# KiCad board shimarray.kicad_pcb (continued)
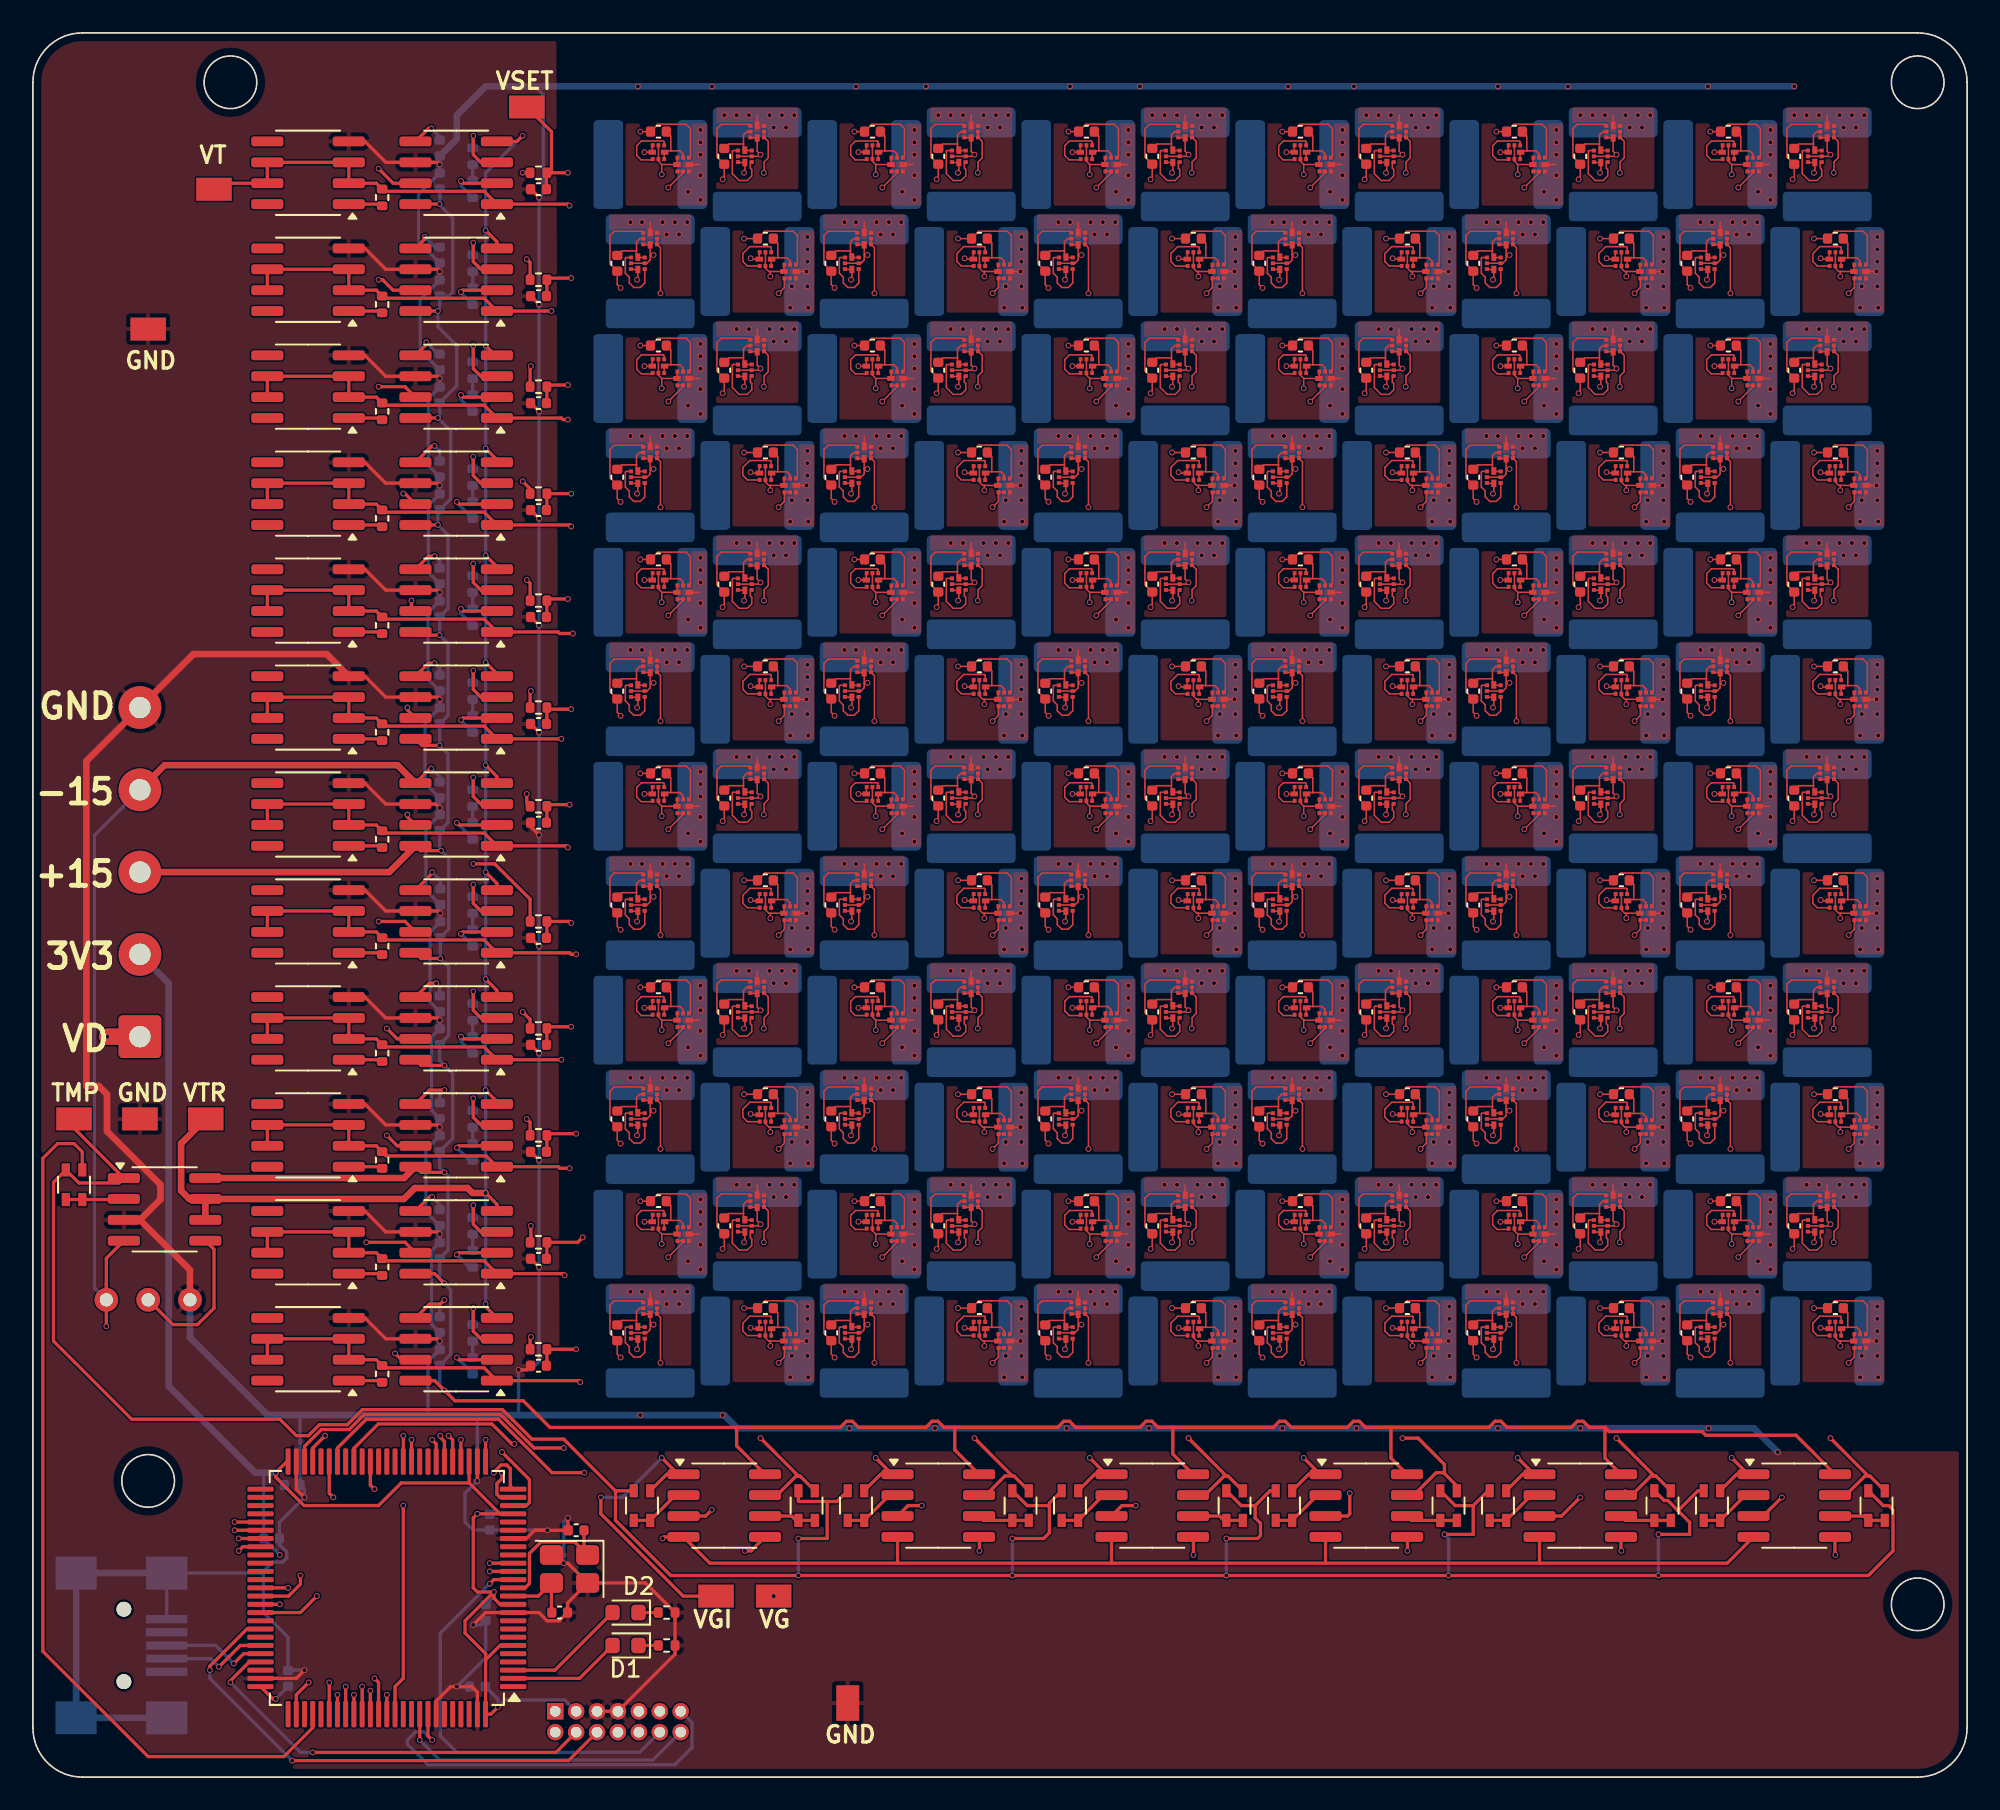
[diagram p0: board, top side]
## Routing (per net, layer and track width the routed paths; a pad name or vN(x,y) marks a point on that pad's centre or on a via; arc(x,y) is an arc through that point) (continued)
/Element_4x4/Vd4_1: length 101.1
  Top w0.09: 42.75,98.15 42.78,98.12 43.17,98.12 ; 37.62,98.83 37.62,99.22 37.65,99.25 ; 37.1,98.8 v1(37.15,98.75) Q1.6 ; 63.62,98.83 63.62,99.22 63.65,99.25 ; 50.62,98.83 50.62,99.22 50.65,99.25 ; Q21.6 v1(63.15,98.75) 63.1,98.8 ; 89.1,98.8 v1(89.15,98.75) Q37.6 ; 81.75,98.15 81.78,98.12 82.17,98.12 ; 76.1,98.8 v1(76.15,98.75) Q29.6 ; 68.75,98.15 68.78,98.12 69.17,98.12 ; v1(69.2,97.5) 69.25,97.55 Q15.6 ; 89.62,98.83 89.62,99.22 89.65,99.25 ; v1(95.2,97.5) 95.25,97.55 Q31.6 ; 95.17,98.12 94.78,98.12 94.75,98.15 ; 102.65,99.25 102.62,99.22 102.62,98.83 ; v1(43.2,97.5) 43.25,97.55 Q3.6 ; 76.62,98.83 76.62,99.22 76.65,99.25 ; Q39.6 v1(50.15,98.75) 50.1,98.8 ; v1(56.2,97.5) 56.25,97.55 Q9.6 ; v1(82.2,97.5) 82.25,97.55 Q23.6 ; 56.17,98.12 55.78,98.12 55.75,98.15 ; 108.17,98.12 107.78,98.12 107.75,98.15 ; Q41.6 108.25,97.55 v1(108.2,97.5) ; Q47.6 v1(102.15,98.75) 102.1,98.8
  Top w0.2: v1(32.5,97.5) 31.5,97.5 ; 31.5,97.5 31.5,100 TP3.1 ; 31.5,97.5 R4.2 31.19,97.47 C9.1
  In1.Cu w0.09: v1(37.15,98.75) 37.8,98.1 42.6,98.1 v1(43.2,97.5) 43.8,98.1 44.7,98.1 45.35,98.75 v1(50.15,98.75) 50.8,98.1 55.6,98.1 v1(56.2,97.5) 56.8,98.1 57.7,98.1 58.35,98.75 v1(63.15,98.75) 63.8,98.1 68.6,98.1 v1(69.2,97.5) 69.8,98.1 70.7,98.1 71.35,98.75 v1(76.15,98.75) 76.8,98.1 81.6,98.1 v1(82.2,97.5) 82.8,98.1 83.7,98.1 84.35,98.75 v1(89.15,98.75) 89.8,98.1 94.6,98.1 v1(95.2,97.5) 95.8,98.1 96.7,98.1 97.35,98.75 v1(102.15,98.75) 102.8,98.1 107.6,98.1 v1(108.2,97.5)
  In1.Cu w0.2: v1(32.5,97.5) 33.75,98.75 v1(37.15,98.75)
/Element_4x4/Vd4_2: length 96.7
  Top w0.09: Q13.6 49.75,91.05 v1(49.7,91) ; Q27.6 75.75,91.05 v1(75.7,91) ; 36.67,91.62 36.28,91.62 36.25,91.65 ; 70.12,92.33 70.12,92.72 70.15,92.75 ; v1(43.6,92.3) 43.65,92.25 Q7.6 ; v1(88.7,91) 88.75,91.05 Q35.6 ; v1(108.6,92.3) 108.65,92.25 Q43.6 ; 109.12,92.33 109.12,92.72 109.15,92.75 ; 62.25,91.65 62.28,91.62 62.67,91.62 ; 88.67,91.62 88.28,91.62 88.25,91.65 ; v1(56.6,92.3) 56.65,92.25 Q11.6 ; 44.15,92.75 44.12,92.72 44.12,92.33 ; v1(69.6,92.3) 69.65,92.25 Q17.6 ; Q45.6 101.75,91.05 v1(101.7,91) ; 83.15,92.75 83.12,92.72 83.12,92.33 ; Q25.6 82.65,92.25 v1(82.6,92.3) ; Q5.6 36.75,91.05 v1(36.7,91) ; v1(95.6,92.3) 95.65,92.25 Q33.6 ; 96.12,92.33 96.12,92.72 96.15,92.75 ; 101.67,91.62 101.28,91.62 101.25,91.65 ; 75.67,91.62 75.28,91.62 75.25,91.65 ; Q19.6 62.75,91.05 v1(62.7,91) ; 49.25,91.65 49.28,91.62 49.67,91.62 ; 57.12,92.33 57.12,92.72 57.15,92.75
  Top w0.2: v1(32.7,91.1) 31.32,91.1 R3.2 31.22,90.03 C10.1
  In1.Cu w0.09: v1(36.7,91) 37.53,91.83 37.89,91.83 38.36,92.3 v1(43.6,92.3) 44.5,92.3 45.8,91 v1(49.7,91) 50.53,91.83 50.89,91.83 51.36,92.3 v1(56.6,92.3) 57.5,92.3 58.8,91 v1(62.7,91) 63.53,91.83 63.89,91.83 64.36,92.3 v1(69.6,92.3) 70.5,92.3 71.8,91 v1(75.7,91) 76.53,91.83 76.89,91.83 77.36,92.3 v1(82.6,92.3) 83.5,92.3 84.8,91 v1(88.7,91) 89.53,91.83 89.89,91.83 90.36,92.3 v1(95.6,92.3) 96.5,92.3 97.8,91 v1(101.7,91) 102.53,91.83 102.89,91.83 103.36,92.3 v1(108.6,92.3)
  In1.Cu w0.2: v1(32.7,91.1) 32.8,91 v1(36.7,91)
/Element_4x4/Vt4_1: length 134.1
  Top w0.09: Q22.1 Q22.2 65.5,97.5 v1(64.6,96.6) ; v1(77.6,96.6) 78.5,97.5 Q30.2 Q30.1 ; v1(38.6,96.6) 39.5,97.5 Q2.2 Q2.1 ; v1(90.6,96.6) 91.5,97.5 Q38.2 Q38.1 ; Q40.1 Q40.2 52.5,97.5 v1(51.6,96.6) ; Q16.2 Q16.1 70.43,99.65 70.67,99.41 70.67,98.41 70.42,98.15 70.42,97.52 v1(70.4,97.5) ; Q4.2 Q4.1 44.43,99.65 44.67,99.41 44.67,98.41 44.42,98.15 44.42,97.52 v1(44.4,97.5) ; Q10.2 Q10.1 57.43,99.65 57.67,99.41 57.67,98.41 57.42,98.15 57.42,97.52 v1(57.4,97.5) ; Q42.2 Q42.1 109.43,99.65 109.67,99.41 109.67,98.41 109.42,98.15 109.42,97.52 v1(109.4,97.5) ; v1(103.6,96.6) 104.5,97.5 Q48.2 Q48.1 ; Q32.2 Q32.1 96.43,99.65 96.67,99.41 96.67,98.41 96.42,98.15 96.42,97.52 v1(96.4,97.5) ; v1(83.4,97.5) 83.42,97.52 83.42,98.15 83.67,98.41 83.67,99.41 83.43,99.65 Q24.1 Q24.2
  Top w0.2: TP4.1 11.36,96.86 U29.7 U29.6 U29.3 U29.2 20.86,96.86 R47.2 21.35,96.37 27.41,96.37 U30.1 32.5,95.59 v1(32.6,95.5)
  In1.Cu w0.09: v1(109.4,97.5) 108.8,96.9 107.36,96.9 107.09,96.63 106.71,96.63 106.44,96.9 103.9,96.9 v1(103.6,96.6) 97.3,96.6 v1(96.4,97.5) 95.8,96.9 94.36,96.9 94.09,96.63 93.71,96.63 93.44,96.9 90.9,96.9 v1(90.6,96.6) 84.3,96.6 v1(83.4,97.5) 82.8,96.9 81.36,96.9 81.09,96.63 80.71,96.63 80.44,96.9 77.9,96.9 v1(77.6,96.6) 71.3,96.6 v1(70.4,97.5) 69.8,96.9 68.36,96.9 68.09,96.63 67.71,96.63 67.44,96.9 64.9,96.9 v1(64.6,96.6) 58.3,96.6 v1(57.4,97.5) 56.8,96.9 55.36,96.9 55.09,96.63 54.71,96.63 54.44,96.9 51.9,96.9 v1(51.6,96.6) 45.3,96.6 v1(44.4,97.5) 43.8,96.9 42.36,96.9 42.09,96.63 41.71,96.63 41.44,96.9 38.9,96.9 v1(38.6,96.6)
  In1.Cu w0.2: v1(38.6,96.6) 33.7,96.6 v1(32.6,95.5)
/Element_4x4/Vt4_2: length 128.5
  Top w0.09: Q46.2 Q46.1 103.12,92.94 v1(103.12,90.17) ; Q26.2 Q26.1 84.65,90.53 v1(84.3,90.17) ; Q44.2 Q44.1 110.65,90.53 v1(110.3,90.17) ; Q36.2 Q36.1 90.12,92.94 v1(90.12,90.17) ; v1(38.12,90.17) 38.12,92.94 Q6.1 Q6.2 ; Q34.2 Q34.1 97.65,90.53 v1(97.3,90.17) ; Q20.2 Q20.1 64.12,92.94 v1(64.12,90.17) ; Q28.2 Q28.1 77.12,92.94 v1(77.12,90.17) ; Q18.2 Q18.1 71.65,90.53 v1(71.3,90.17) ; Q14.2 Q14.1 51.12,92.94 v1(51.12,90.17) ; v1(45.3,90.17) 45.65,90.53 Q8.1 Q8.2 ; Q12.2 Q12.1 58.65,90.53 v1(58.3,90.17)
  Top w0.2: U31.7 U31.6 U31.3 U31.2 20.86,90.36 R50.2 21.35,89.87 27.41,89.87 U32.1 31.09,89.09 31.1,89.1 v1(31.5,89.1)
  In1.Cu w0.09: v1(110.3,90.17) v1(103.12,90.17) v1(97.3,90.17) v1(90.12,90.17) v1(84.3,90.17) v1(77.12,90.17) v1(71.3,90.17) v1(64.12,90.17) v1(58.3,90.17) v1(51.12,90.17) v1(45.3,90.17) v1(38.12,90.17)
  In1.Cu w0.2: v1(38.12,90.17) 37.05,89.1 v1(31.5,89.1)
/Element_4x12/Vd4_1: length 96.5
  Top w0.09: Q121.6 82.25,71.55 v1(82.2,71.5) ; Q113.6 69.25,71.55 v1(69.2,71.5) ; 50.65,73.25 50.62,73.22 50.62,72.83 ; 76.1,72.8 v1(76.15,72.75) Q127.6 ; 76.62,72.83 76.62,73.22 76.65,73.25 ; 94.75,72.15 94.78,72.12 95.17,72.12 ; 63.65,73.25 63.62,73.22 63.62,72.83 ; 37.62,72.83 37.62,73.22 37.65,73.25 ; v1(108.2,71.5) 108.25,71.55 Q137.6 ; 42.75,72.15 42.78,72.12 43.17,72.12 ; Q119.6 v1(63.15,72.75) 63.1,72.8 ; 37.1,72.8 v1(37.15,72.75) Q103.6 ; Q105.6 56.25,71.55 v1(56.2,71.5) ; 56.17,72.12 55.78,72.12 55.75,72.15 ; v1(43.2,71.5) 43.25,71.55 Q97.6 ; 81.75,72.15 81.78,72.12 82.17,72.12 ; Q129.6 95.25,71.55 v1(95.2,71.5) ; Q143.6 v1(102.15,72.75) 102.1,72.8 ; 89.1,72.8 v1(89.15,72.75) Q135.6 ; 69.17,72.12 68.78,72.12 68.75,72.15 ; 108.17,72.12 107.78,72.12 107.75,72.15 ; 50.1,72.8 v1(50.15,72.75) Q111.6 ; 102.62,72.83 102.62,73.22 102.65,73.25 ; 89.62,72.83 89.62,73.22 89.65,73.25
  Top w0.2: C13.1 31.22,70.53 R8.2 31.32,71.6 v1(32.5,71.6)
  In1.Cu w0.09: v1(108.2,71.5) 107.6,72.1 102.8,72.1 v1(102.15,72.75) 97.35,72.75 96.7,72.1 95.8,72.1 v1(95.2,71.5) 94.6,72.1 89.8,72.1 v1(89.15,72.75) 84.35,72.75 83.7,72.1 82.8,72.1 v1(82.2,71.5) 81.6,72.1 76.8,72.1 v1(76.15,72.75) 71.35,72.75 70.7,72.1 69.8,72.1 v1(69.2,71.5) 68.6,72.1 63.8,72.1 v1(63.15,72.75) 58.35,72.75 57.7,72.1 56.8,72.1 v1(56.2,71.5) 55.6,72.1 50.8,72.1 v1(50.15,72.75) 45.35,72.75 44.7,72.1 43.8,72.1 v1(43.2,71.5) 42.6,72.1 37.8,72.1 v1(37.15,72.75)
  In1.Cu w0.2: v1(32.5,71.6) 36,71.6 v1(37.15,72.75)
/Element_4x12/Vd4_2: length 96.7
  Top w0.09: v1(43.6,66.3) 43.65,66.25 Q99.6 ; 49.25,65.65 49.28,65.62 49.67,65.62 ; 96.12,66.33 96.12,66.72 96.15,66.75 ; v1(49.7,65) 49.75,65.05 Q109.6 ; 57.12,66.33 57.12,66.72 57.15,66.75 ; 44.15,66.75 44.12,66.72 44.12,66.33 ; Q133.6 88.75,65.05 v1(88.7,65) ; Q107.6 56.65,66.25 v1(56.6,66.3) ; 62.25,65.65 62.28,65.62 62.67,65.62 ; 70.12,66.33 70.12,66.72 70.15,66.75 ; 36.25,65.65 36.28,65.62 36.67,65.62 ; 109.15,66.75 109.12,66.72 109.12,66.33 ; v1(82.6,66.3) 82.65,66.25 Q123.6 ; v1(36.7,65) 36.75,65.05 Q101.6 ; Q141.6 101.75,65.05 v1(101.7,65) ; Q139.6 108.65,66.25 v1(108.6,66.3) ; 83.12,66.33 83.12,66.72 83.15,66.75 ; 101.25,65.65 101.28,65.62 101.67,65.62 ; 88.25,65.65 88.28,65.62 88.67,65.62 ; v1(95.6,66.3) 95.65,66.25 Q131.6 ; Q125.6 75.75,65.05 v1(75.7,65) ; Q117.6 62.75,65.05 v1(62.7,65) ; v1(69.6,66.3) 69.65,66.25 Q115.6 ; 75.25,65.65 75.28,65.62 75.67,65.62
  Top w0.2: C14.1 31.22,64.03 R7.2 31.32,64.9 v1(32.7,64.9)
  In1.Cu w0.09: v1(108.6,66.3) 103.36,66.3 102.89,65.83 102.53,65.83 v1(101.7,65) 97.8,65 96.5,66.3 v1(95.6,66.3) 90.36,66.3 89.89,65.83 89.53,65.83 v1(88.7,65) 84.8,65 83.5,66.3 v1(82.6,66.3) 77.36,66.3 76.89,65.83 76.53,65.83 v1(75.7,65) 71.8,65 70.5,66.3 v1(69.6,66.3) 64.36,66.3 63.89,65.83 63.53,65.83 v1(62.7,65) 58.8,65 57.5,66.3 v1(56.6,66.3) 51.36,66.3 50.89,65.83 50.53,65.83 v1(49.7,65) 45.8,65 44.5,66.3 v1(43.6,66.3) 38.36,66.3 37.89,65.83 37.53,65.83 v1(36.7,65)
  In1.Cu w0.2: v1(36.7,65) 36.6,64.9 v1(32.7,64.9)
/Element_4x12/Vg4_1: length 138.9
  Top w0.09: 38.2,85 Q56.8 ; 38.2,85 v1(38.2,84.4) ; 38.2,85 38,85.2 38,86.25 ; Q56.8 39.12,85.39 Q56.7 ; Q56.8 39.2,85 ; 37.5,79.5 37.5,79.2 37.3,79 36.25,79 ; 37.5,79.5 Q54.8 ; 37.5,79.5 v1(37.7,79.5) ; v1(37.7,66.5) 37.5,66.5 ; 37.5,66.5 Q102.8 ; 37.5,66.5 37.5,66.2 37.3,66 36.25,66 ; 38.2,59 38,59.2 38,60.25 ; 38.2,59 v1(38.2,58.4) ; 38.2,59 Q152.8 ; Q150.8 37.11,54.12 Q150.7 ; Q150.8 37.5,53.5 ; Q150.8 37.5,54.2 ; v1(37.7,53.5) 37.5,53.5 ; 37.5,53.5 37.5,53.2 37.3,53 36.25,53 ; Q248.8 39.2,33 ; Q248.8 39.12,33.39 Q248.7 ; Q248.8 38.2,33 ; Q2.8 39.12,98.39 Q2.7 ; Q2.8 39.2,98 ; Q2.8 38.2,98 ; Q198.8 37.11,41.12 Q198.7 ; Q198.8 37.5,40.5 ; Q198.8 37.5,41.2 ; Q104.8 39.2,72 ; Q104.8 39.12,72.39 Q104.7 ; Q104.8 38.2,72 ; 37.5,92.5 37.5,92.2 37.3,92 36.25,92 ; 37.5,92.5 v1(37.7,92.5) ; 37.5,92.5 Q6.8 ; Q152.8 39.12,59.39 Q152.7 ; Q152.8 39.2,59 ; Q102.8 37.5,67.2 ; Q102.8 37.11,67.12 Q102.7 ; Q246.8 37.11,28.12 Q246.7 ; Q246.8 37.5,27.5 ; Q246.8 37.5,28.2 ; Q6.8 37.11,93.12 Q6.7 ; Q6.8 37.5,93.2 ; 38,47.25 38,46.2 38.2,46 ; Q200.8 39.12,46.39 Q200.7 ; Q200.8 39.2,46 ; Q200.8 38.2,46 ; 37.5,27.5 v1(37.7,27.5) ; 37.5,27.5 37.5,27.2 37.3,27 36.25,27 ; 38.2,33 v1(38.2,32.4) ; 38.2,33 38,33.2 38,34.25 ; Q54.8 37.11,80.12 Q54.7 ; Q54.8 37.5,80.2 ; v1(37.7,40.5) 37.5,40.5 ; 37.5,40.5 37.5,40.2 37.3,40 36.25,40 ; 38.2,98 v1(38.2,97.4) ; 38.2,98 38,98.2 38,99.25 ; 38.2,46 v1(38.2,45.4) ; 38.2,72 v1(38.2,71.4) ; 38.2,72 38,72.2 38,73.25
  Top w0.2: TP2.1 39.5,11 34.5,16 v1(34.5,17) ; RN12.1 38.5,18.41 U28.1 39.19,18.41 v1(38.2,19.4)
  In2.Cu w0.09: 38.2,84.3 37.7,83.8 v1(37.7,79.5) 37.4,79.2 37.4,76.8 38.2,76 v1(38.2,71.4) 38.2,71.3 37.7,70.8 v1(37.7,66.5) 37.4,66.2 37.4,63.8 38.2,63 v1(38.2,58.4) 38.2,58.3 37.7,57.8 v1(37.7,53.5) 37.4,53.2 37.4,50.8 38.2,50 v1(38.2,45.4) 38.2,45.3 37.7,44.8 v1(37.7,40.5) 37.4,40.2 37.4,37.8 38.2,37 v1(38.2,32.4) 38.2,32.3 37.7,31.8 v1(37.7,27.5) 37.4,27.2 37.4,24.8 38.2,24 v1(38.2,19.4) ; 38.2,84.3 v1(38.2,84.4) ; 38.2,84.3 v1(38.2,84.4) ; v1(38.2,84.4) 38.2,89 37.4,89.8 37.4,92.2 v1(37.7,92.5) 37.7,96.8 38.2,97.3 v1(38.2,97.4)
  Bottom w0.2: v1(38.2,19.4) 35.8,17 v1(34.5,17)
/Element_4x12/Vg4_2: length 127.6
  Top w0.09: Q242.8 44,34.7 ; Q242.8 44,33.8 v1(44.2,33.6) 44.1,33.5 42.75,33.5 ; Q242.8 43.61,34.62 Q242.7 ; Q194.8 44,47.7 ; Q194.8 43.61,47.62 Q194.7 ; Q194.8 44,46.8 v1(44.2,46.6) 44.1,46.5 42.75,46.5 ; Q196.7 45.62,39.89 Q196.8 ; v1(44.8,52.2) 44.8,52.5 ; 44.8,52.5 Q148.8 ; 44.8,52.5 44.7,52.5 44.5,52.7 44.5,53.75 ; 44.8,78.5 Q52.8 ; 44.8,78.5 v1(44.8,78.2) ; 44.8,78.5 44.7,78.5 44.5,78.7 44.5,79.75 ; Q52.8 45.62,78.89 Q52.7 ; Q52.8 45.7,78.5 ; Q148.8 45.7,52.5 ; Q148.8 45.62,52.89 Q148.7 ; Q4.7 43.61,99.62 Q4.8 ; Q98.8 44,72.8 v1(44.2,72.6) 44.1,72.5 42.75,72.5 ; Q98.8 43.61,73.62 Q98.7 ; Q98.8 44,73.7 ; Q244.7 45.62,26.89 Q244.8 ; Q50.8 44,85.8 v1(44.2,85.6) 44.1,85.5 42.75,85.5 ; Q50.8 44,86.7 ; Q50.8 43.61,86.62 Q50.7 ; Q100.8 45.62,65.89 Q100.7 ; Q100.8 44.8,65.5 ; Q100.8 45.7,65.5 ; 44.8,65.5 v1(44.8,65.2) ; 44.8,65.5 44.7,65.5 44.5,65.7 44.5,66.75 ; Q8.7 45.62,91.89 Q8.8 ; 44.5,92.75 44.5,91.7 44.7,91.5 44.8,91.5 ; 44.8,26.5 44.7,26.5 44.5,26.7 44.5,27.75 ; 44.8,26.5 v1(44.8,26.2) ; 44.8,26.5 Q244.8 ; Q8.8 44.8,91.5 ; Q8.8 45.7,91.5 ; Q4.8 44,98.8 v1(44.2,98.6) 44.1,98.5 42.75,98.5 ; Q4.8 44,99.7 ; Q244.8 45.7,26.5 ; 44.8,39.5 Q196.8 ; 44.8,39.5 v1(44.8,39.2) ; 44.8,39.5 44.7,39.5 44.5,39.7 44.5,40.75 ; Q196.8 45.7,39.5 ; 44.8,91.5 v1(44.8,91.2) ; Q146.8 44,59.8 v1(44.2,59.6) 44.1,59.5 42.75,59.5 ; Q146.8 44,60.7 ; Q146.8 43.61,60.62 Q146.7
  Top w0.2: U28.7 45.2,17.13 46.37,18.3 46.5,18.3 ; 46.5,18.3 46.6,18.3 RN13.1 ; 46.5,18.3 v1(44.2,20.6)
  In2.Cu w0.09: v1(44.2,98.6) 43.7,98.1 43.7,93.2 44.8,92.1 v1(44.8,91.2) 44.2,90.6 v1(44.2,85.6) 43.7,85.1 43.7,80.2 44.8,79.1 v1(44.8,78.2) 44.2,77.6 v1(44.2,72.6) 43.7,72.1 43.7,67.2 44.8,66.1 v1(44.8,65.2) 44.2,64.6 v1(44.2,59.6) 43.7,59.1 43.7,54.2 44.8,53.1 v1(44.8,52.2) 44.2,51.6 v1(44.2,46.6) 43.7,46.1 43.7,41.2 44.8,40.1 v1(44.8,39.2) 44.2,38.6 v1(44.2,33.6) 43.7,33.1 43.7,28.2 44.8,27.1 v1(44.8,26.2) 44.2,25.6 v1(44.2,20.6)
/Element_4x12/Vt4_1: length 130.7
  Top w0.09: v1(83.4,71.5) 83.42,71.52 83.42,72.15 83.67,72.41 83.67,73.41 83.43,73.65 Q122.1 Q122.2 ; Q104.1 Q104.2 39.5,71.5 v1(38.6,70.6) ; Q112.1 Q112.2 52.5,71.5 v1(51.6,70.6) ; Q120.1 Q120.2 65.5,71.5 v1(64.6,70.6) ; Q138.2 Q138.1 109.43,73.65 109.67,73.41 109.67,72.41 109.42,72.15 109.42,71.52 v1(109.4,71.5) ; v1(103.6,70.6) 104.5,71.5 Q144.2 Q144.1 ; Q114.2 Q114.1 70.43,73.65 70.67,73.41 70.67,72.41 70.42,72.15 70.42,71.52 v1(70.4,71.5) ; v1(96.4,71.5) 96.42,71.52 96.42,72.15 96.67,72.41 96.67,73.41 96.43,73.65 Q130.1 Q130.2 ; v1(57.4,71.5) 57.42,71.52 57.42,72.15 57.67,72.41 57.67,73.41 57.43,73.65 Q106.1 Q106.2 ; Q128.1 Q128.2 78.5,71.5 v1(77.6,70.6) ; Q136.1 Q136.2 91.5,71.5 v1(90.6,70.6) ; Q98.2 Q98.1 44.43,73.65 44.67,73.41 44.67,72.41 44.42,72.15 44.42,71.52 v1(44.4,71.5)
  Top w0.2: U12.7 U12.6 U12.3 U12.2 20.86,70.87 R23.2 21.35,70.37 27.41,70.37 U13.1 31.91,69.59 32,69.5 v1(32.8,69.5)
  In1.Cu w0.09: v1(38.6,70.6) 38.9,70.9 41.44,70.9 41.71,70.63 42.09,70.63 42.36,70.9 43.8,70.9 v1(44.4,71.5) 45.3,70.6 v1(51.6,70.6) 51.9,70.9 54.44,70.9 54.71,70.63 55.09,70.63 55.36,70.9 56.8,70.9 v1(57.4,71.5) 58.3,70.6 v1(64.6,70.6) 64.9,70.9 67.44,70.9 67.71,70.63 68.09,70.63 68.36,70.9 69.8,70.9 v1(70.4,71.5) 71.3,70.6 v1(77.6,70.6) 77.9,70.9 80.44,70.9 80.71,70.63 81.09,70.63 81.36,70.9 82.8,70.9 v1(83.4,71.5) 84.3,70.6 v1(90.6,70.6) 90.9,70.9 93.44,70.9 93.71,70.63 94.09,70.63 94.36,70.9 95.8,70.9 v1(96.4,71.5) 97.3,70.6 v1(103.6,70.6) 103.9,70.9 106.44,70.9 106.71,70.63 107.09,70.63 107.36,70.9 108.8,70.9 v1(109.4,71.5)
  In1.Cu w0.2: v1(38.6,70.6) 37.5,69.5 v1(32.8,69.5)
/Element_4x12/Vt4_2: length 128.5
  Top w0.09: Q134.2 Q134.1 90.12,66.94 v1(90.12,64.18) ; v1(77.12,64.18) 77.12,66.94 Q126.1 Q126.2 ; Q110.2 Q110.1 51.12,66.94 v1(51.12,64.18) ; v1(38.12,64.18) 38.12,66.94 Q102.1 Q102.2 ; v1(64.12,64.18) 64.12,66.94 Q118.1 Q118.2 ; v1(103.12,64.18) 103.12,66.94 Q142.1 Q142.2 ; v1(71.3,64.18) 71.65,64.53 Q116.1 Q116.2 ; Q124.2 Q124.1 84.65,64.53 v1(84.3,64.18) ; Q108.2 Q108.1 58.65,64.53 v1(58.3,64.18) ; Q100.2 Q100.1 45.65,64.53 v1(45.3,64.18) ; v1(97.3,64.18) 97.65,64.53 Q132.1 Q132.2 ; v1(110.3,64.18) 110.65,64.53 Q140.1 Q140.2
  Top w0.2: v1(32.1,63.1) 32.09,63.09 U15.1 27.41,63.87 21.35,63.87 R26.2 20.86,64.37 U14.2 U14.3 U14.6 U14.7
  In1.Cu w0.09: v1(110.3,64.18) v1(103.12,64.18) v1(97.3,64.18) v1(90.12,64.18) v1(84.3,64.18) v1(77.12,64.18) v1(71.3,64.18) v1(64.12,64.18) v1(58.3,64.18) v1(51.12,64.18) v1(45.3,64.18) v1(38.12,64.18)
  In1.Cu w0.2: v1(32.1,63.1) 37.05,63.1 v1(38.12,64.18)
/Element_4x13/Vg4_1: length 124.1
  Top w0.09: v1(50.7,53.5) 50.5,53.5 ; 50.5,53.5 Q158.8 ; 50.5,53.5 50.5,53.2 50.3,53 49.25,53 ; 49.25,40 50.3,40 50.5,40.2 50.5,40.5 ; 49.25,27 50.3,27 50.5,27.2 50.5,27.5 ; v1(50.7,27.5) 50.5,27.5 ; 50.5,27.5 Q254.8 ; 51,34.25 51,33.2 51.2,33 ; 51.2,98 Q40.8 ; 51.2,98 51,98.2 51,99.25 ; 51.2,98 v1(51.2,97.4) ; Q40.8 52.2,98 ; Q40.8 52.12,98.39 Q40.7 ; Q110.8 50.11,67.12 Q110.7 ; Q110.8 50.5,66.5 ; Q110.8 50.5,67.2 ; 51.2,33 Q256.8 ; 51.2,33 v1(51.2,32.4) ; Q256.8 52.2,33 ; Q256.8 52.12,33.39 Q256.7 ; 51.2,85 v1(51.2,84.4) ; 51.2,85 Q64.8 ; 51.2,85 51,85.2 51,86.25 ; 50.5,66.5 50.5,66.2 50.3,66 49.25,66 ; 50.5,66.5 v1(50.7,66.5) ; 49.25,79 50.3,79 50.5,79.2 50.5,79.5 ; 51.2,59 51,59.2 51,60.25 ; 51.2,59 Q160.8 ; 51.2,59 v1(51.2,58.4) ; Q112.8 52.2,72 ; Q112.8 51.2,72 ; Q112.8 52.12,72.39 Q112.7 ; 51.2,46 Q208.8 ; 51.2,46 51,46.2 51,47.25 ; 51.2,46 v1(51.2,45.4) ; Q208.8 52.12,46.39 Q208.7 ; Q208.8 52.2,46 ; Q14.8 50.5,93.2 ; Q14.8 50.5,92.5 ; Q14.8 50.11,93.12 Q14.7 ; Q206.8 50.5,41.2 ; Q206.8 50.11,41.12 Q206.7 ; Q206.8 50.5,40.5 ; Q254.7 50.11,28.12 Q254.8 ; 50.5,79.5 v1(50.7,79.5) ; 50.5,79.5 Q62.8 ; Q62.7 50.11,80.12 Q62.8 ; Q64.8 52.12,85.39 Q64.7 ; Q64.8 52.2,85 ; v1(50.7,40.5) 50.5,40.5 ; 51,73.25 51,72.2 51.2,72 ; Q254.8 50.5,28.2 ; 51.2,72 v1(51.2,71.4) ; 50.5,92.5 50.5,92.2 50.3,92 49.25,92 ; 50.5,92.5 v1(50.7,92.5) ; Q160.8 52.12,59.39 Q160.7 ; Q160.8 52.2,59 ; Q158.7 50.11,54.12 Q158.8 ; Q158.8 50.5,54.2 ; Q62.8 50.5,80.2
  Top w0.2: v1(51.2,19.4) 52.19,18.41 U3.1 51.5,18.41 RN2.1
  In2.Cu w0.09: v1(51.2,97.4) 51.2,97.3 50.7,96.8 v1(50.7,92.5) 50.4,92.2 50.4,89.8 51.2,89 v1(51.2,84.4) 51.2,84.3 50.7,83.8 v1(50.7,79.5) 50.4,79.2 50.4,76.8 51.2,76 v1(51.2,71.4) 51.2,71.3 50.7,70.8 v1(50.7,66.5) 50.4,66.2 50.4,63.8 51.2,63 v1(51.2,58.4) 51.2,58.3 50.7,57.8 v1(50.7,53.5) 50.4,53.2 50.4,50.8 51.2,50 v1(51.2,45.4) 51.2,45.3 50.7,44.8 v1(50.7,40.5) 50.4,40.2 50.4,37.8 51.2,37 v1(51.2,32.4) 51.2,32.3 50.7,31.8 v1(50.7,27.5) 50.4,27.2 50.4,24.8 51.2,24 v1(51.2,19.4)
/Element_4x13/Vg4_2: length 127.6
  Top w0.09: Q202.8 56.61,47.62 Q202.7 ; Q202.8 57,47.7 ; Q202.8 57,46.8 v1(57.2,46.6) 57.1,46.5 55.75,46.5 ; Q252.8 58.62,26.89 Q252.7 ; Q252.8 57.8,26.5 ; Q252.8 58.7,26.5 ; 57.8,52.5 Q156.8 ; 57.8,52.5 v1(57.8,52.2) ; 57.8,52.5 57.7,52.5 57.5,52.7 57.5,53.75 ; Q156.8 58.62,52.89 Q156.7 ; Q156.8 58.7,52.5 ; 57.8,26.5 57.7,26.5 57.5,26.7 57.5,27.75 ; 57.8,26.5 v1(57.8,26.2) ; Q10.8 56.61,99.62 Q10.7 ; Q10.8 57,98.8 v1(57.2,98.6) 57.1,98.5 55.75,98.5 ; Q10.8 57,99.7 ; Q154.7 56.61,60.62 Q154.8 ; 57.5,92.75 57.5,91.7 57.7,91.5 57.8,91.5 ; 57.8,91.5 Q12.8 ; 57.8,91.5 v1(57.8,91.2) ; Q12.8 58.7,91.5 ; Q12.8 58.62,91.89 Q12.7 ; 57.8,39.5 57.7,39.5 57.5,39.7 57.5,40.75 ; 57.8,39.5 v1(57.8,39.2) ; 57.8,39.5 Q204.8 ; 55.75,33.5 57.1,33.5 v1(57.2,33.6) 57,33.8 Q250.8 ; Q250.8 57,34.7 ; Q250.8 56.61,34.62 Q250.7 ; Q58.8 57,86.7 ; Q58.8 56.61,86.62 Q58.7 ; Q58.8 57,85.8 v1(57.2,85.6) 57.1,85.5 55.75,85.5 ; Q106.8 56.61,73.62 Q106.7 ; Q106.8 57,72.8 v1(57.2,72.6) 57.1,72.5 55.75,72.5 ; Q106.8 57,73.7 ; Q60.8 58.7,78.5 ; Q60.8 57.8,78.5 ; Q60.8 58.62,78.89 Q60.7 ; Q204.8 58.7,39.5 ; Q204.8 58.62,39.89 Q204.7 ; Q108.8 58.62,65.89 Q108.7 ; Q108.8 57.8,65.5 ; Q108.8 58.7,65.5 ; 57.8,65.5 57.7,65.5 57.5,65.7 57.5,66.75 ; 57.8,65.5 v1(57.8,65.2) ; 55.75,59.5 57.1,59.5 v1(57.2,59.6) 57,59.8 Q154.8 ; 57.8,78.5 v1(57.8,78.2) ; 57.8,78.5 57.7,78.5 57.5,78.7 57.5,79.75 ; Q154.8 57,60.7
  Top w0.2: RN3.1 59.6,18.3 59.5,18.3 ; 59.5,18.3 59.05,18.3 57.88,17.13 U3.7 ; 59.5,18.3 v1(57.2,20.6)
  In2.Cu w0.09: v1(57.2,98.6) 56.7,98.1 56.7,93.2 57.8,92.1 v1(57.8,91.2) 57.2,90.6 v1(57.2,85.6) 56.7,85.1 56.7,80.2 57.8,79.1 v1(57.8,78.2) 57.2,77.6 v1(57.2,72.6) 56.7,72.1 56.7,67.2 57.8,66.1 v1(57.8,65.2) 57.2,64.6 v1(57.2,59.6) 56.7,59.1 56.7,54.2 57.8,53.1 v1(57.8,52.2) 57.2,51.6 v1(57.2,46.6) 56.7,46.1 56.7,41.2 57.8,40.1 v1(57.8,39.2) 57.2,38.6 v1(57.2,33.6) 56.7,33.1 56.7,28.2 57.8,27.1 v1(57.8,26.2) 57.2,25.6 v1(57.2,20.6)
/Element_4x14/Vg4_1: length 124.1
  Top w0.09: 64,47.25 64,46.2 64.2,46 ; 63.5,79.5 Q70.8 ; 63.5,79.5 63.5,79.2 63.3,79 62.25,79 ; 63.5,79.5 v1(63.7,79.5) ; Q70.8 63.5,80.2 ; Q70.8 63.11,80.12 Q70.7 ; 63.5,53.5 63.5,53.2 63.3,53 62.25,53 ; 63.5,53.5 v1(63.7,53.5) ; 63.5,53.5 Q166.8 ; Q262.7 63.11,28.12 Q262.8 ; Q20.7 63.11,93.12 Q20.8 ; Q214.8 63.5,41.2 ; Q214.8 63.11,41.12 Q214.7 ; Q214.8 63.5,40.5 ; 62.25,27 63.3,27 63.5,27.2 63.5,27.5 ; Q166.8 63.11,54.12 Q166.7 ; Q166.8 63.5,54.2 ; 63.5,66.5 63.5,66.2 63.3,66 62.25,66 ; 63.5,66.5 Q118.8 ; 63.5,66.5 v1(63.7,66.5) ; 63.5,40.5 63.5,40.2 63.3,40 62.25,40 ; 63.5,40.5 v1(63.7,40.5) ; Q22.7 65.12,98.39 Q22.8 ; 64.2,85 v1(64.2,84.4) ; 64.2,85 Q72.8 ; 64.2,85 64,85.2 64,86.25 ; Q168.8 65.2,59 ; Q168.8 65.12,59.39 Q168.7 ; Q168.8 64.2,59 ; 63.5,27.5 Q262.8 ; 63.5,27.5 v1(63.7,27.5) ; Q264.8 65.2,33 ; Q264.8 65.12,33.39 Q264.7 ; Q264.8 64.2,33 ; Q72.8 65.2,85 ; Q72.8 65.12,85.39 Q72.7 ; 64.2,98 64,98.2 64,99.25 ; 64.2,98 v1(64.2,97.4) ; 64.2,98 Q22.8 ; Q262.8 63.5,28.2 ; Q20.8 63.5,93.2 ; Q20.8 63.5,92.5 ; Q120.7 65.12,72.39 Q120.8 ; 64.2,33 64,33.2 64,34.25 ; 64.2,33 v1(64.2,32.4) ; Q216.8 65.2,46 ; Q216.8 64.2,46 ; Q216.8 65.12,46.39 Q216.7 ; Q22.8 65.2,98 ; 64.2,59 v1(64.2,58.4) ; 64.2,59 64,59.2 64,60.25 ; 64.2,72 Q120.8 ; 64.2,72 v1(64.2,71.4) ; 64.2,72 64,72.2 64,73.25 ; Q120.8 65.2,72 ; 63.5,92.5 63.5,92.2 63.3,92 62.25,92 ; 63.5,92.5 v1(63.7,92.5) ; 64.2,46 v1(64.2,45.4) ; Q118.8 63.5,67.2 ; Q118.8 63.11,67.12 Q118.7
  Top w0.2: RN4.1 64.5,18.41 U4.1 65.19,18.41 v1(64.2,19.4)
  In2.Cu w0.09: v1(64.2,19.4) 64.2,24 63.4,24.8 63.4,27.2 v1(63.7,27.5) 63.7,31.8 64.2,32.3 v1(64.2,32.4) 64.2,37 63.4,37.8 63.4,40.2 v1(63.7,40.5) 63.7,44.8 64.2,45.3 v1(64.2,45.4) 64.2,50 63.4,50.8 63.4,53.2 v1(63.7,53.5) 63.7,57.8 64.2,58.3 v1(64.2,58.4) 64.2,63 63.4,63.8 63.4,66.2 v1(63.7,66.5) 63.7,70.8 64.2,71.3 v1(64.2,71.4) 64.2,76 63.4,76.8 63.4,79.2 v1(63.7,79.5) 63.7,83.8 64.2,84.3 v1(64.2,84.4) 64.2,89 63.4,89.8 63.4,92.2 v1(63.7,92.5) 63.7,96.8 64.2,97.3 v1(64.2,97.4)
/Element_4x14/Vg4_2: length 127.6
  Top w0.09: Q164.8 71.62,52.89 Q164.7 ; Q164.8 70.8,52.5 ; Q164.8 71.7,52.5 ; Q260.7 71.62,26.89 Q260.8 ; 70.8,65.5 Q116.8 ; 70.8,65.5 70.7,65.5 70.5,65.7 70.5,66.75 ; 70.8,65.5 v1(70.8,65.2) ; Q116.8 71.7,65.5 ; Q116.8 71.62,65.89 Q116.7 ; 70.8,52.5 70.7,52.5 70.5,52.7 70.5,53.75 ; 70.8,52.5 v1(70.8,52.2) ; Q18.7 71.62,91.89 Q18.8 ; Q66.8 70,86.7 ; Q66.8 70,85.8 v1(70.2,85.6) 70.1,85.5 68.75,85.5 ; Q66.8 69.61,86.62 Q66.7 ; Q212.8 71.62,39.89 Q212.7 ; Q212.8 71.7,39.5 ; Q212.8 70.8,39.5 ; 70.8,26.5 70.7,26.5 70.5,26.7 70.5,27.75 ; 70.8,26.5 Q260.8 ; 70.8,26.5 v1(70.8,26.2) ; Q114.8 69.61,73.62 Q114.7 ; Q114.8 70,72.8 v1(70.2,72.6) 70.1,72.5 68.75,72.5 ; Q114.8 70,73.7 ; Q68.7 71.62,78.89 Q68.8 ; Q162.8 70,60.7 ; Q162.8 70,59.8 v1(70.2,59.6) 70.1,59.5 68.75,59.5 ; Q162.8 69.61,60.62 Q162.7 ; 70.5,79.75 70.5,78.7 70.7,78.5 70.8,78.5 ; Q68.8 71.7,78.5 ; Q68.8 70.8,78.5 ; Q18.8 71.7,91.5 ; Q18.8 70.8,91.5 ; 68.75,98.5 70.1,98.5 v1(70.2,98.6) 70,98.8 Q16.8 ; 68.75,46.5 70.1,46.5 v1(70.2,46.6) 70,46.8 Q210.8 ; Q210.8 70,47.7 ; Q210.8 69.61,47.62 Q210.7 ; v1(70.8,91.2) 70.8,91.5 ; 70.8,91.5 70.7,91.5 70.5,91.7 70.5,92.75 ; Q16.7 69.61,99.62 Q16.8 ; 70.5,40.75 70.5,39.7 70.7,39.5 70.8,39.5 ; Q258.7 69.61,34.62 Q258.8 ; Q258.8 70,34.7 ; Q258.8 70,33.8 v1(70.2,33.6) 70.1,33.5 68.75,33.5 ; v1(70.8,39.2) 70.8,39.5 ; Q16.8 70,99.7 ; v1(70.8,78.2) 70.8,78.5 ; Q260.8 71.7,26.5
  Top w0.2: U4.7 71.2,17.13 72.37,18.3 72.5,18.3 ; RN5.1 72.6,18.3 72.5,18.3 ; 72.5,18.3 v1(70.2,20.6)
  In2.Cu w0.09: v1(70.2,98.6) 69.7,98.1 69.7,93.2 70.8,92.1 v1(70.8,91.2) 70.2,90.6 v1(70.2,85.6) 69.7,85.1 69.7,80.2 70.8,79.1 v1(70.8,78.2) 70.2,77.6 v1(70.2,72.6) 69.7,72.1 69.7,67.2 70.8,66.1 v1(70.8,65.2) 70.2,64.6 v1(70.2,59.6) 69.7,59.1 69.7,54.2 70.8,53.1 v1(70.8,52.2) 70.2,51.6 v1(70.2,46.6) 69.7,46.1 69.7,41.2 70.8,40.1 v1(70.8,39.2) 70.2,38.6 v1(70.2,33.6) 69.7,33.1 69.7,28.2 70.8,27.1 v1(70.8,26.2) 70.2,25.6 v1(70.2,20.6)
/Element_4x15/Vg4_1: length 124.1
  Top w0.09: Q176.8 78.12,59.39 Q176.7 ; Q176.8 77.2,59 ; Q176.8 78.2,59 ; 76.5,53.5 Q174.8 ; 76.5,53.5 v1(76.7,53.5) ; 76.5,53.5 76.5,53.2 76.3,53 75.25,53 ; Q174.8 76.11,54.12 Q174.7 ; Q174.8 76.5,54.2 ; 77,34.25 77,33.2 77.2,33 ; Q224.8 78.12,46.39 Q224.7 ; Q224.8 78.2,46 ; Q224.8 77.2,46 ; Q270.7 76.11,28.12 Q270.8 ; 77.2,59 77,59.2 77,60.25 ; 77.2,59 v1(77.2,58.4) ; Q126.7 76.11,67.12 Q126.8 ; Q270.8 76.5,27.5 ; Q270.8 76.5,28.2 ; 77.2,72 Q128.8 ; 77.2,72 77,72.2 77,73.25 ; 77.2,72 v1(77.2,71.4) ; Q128.8 78.2,72 ; Q128.8 78.12,72.39 Q128.7 ; v1(76.7,27.5) 76.5,27.5 ; 76.5,27.5 76.5,27.2 76.3,27 75.25,27 ; Q222.8 76.5,41.2 ; Q222.8 76.11,41.12 Q222.7 ; Q222.8 76.5,40.5 ; Q272.8 78.2,33 ; Q272.8 77.2,33 ; Q272.8 78.12,33.39 Q272.7 ; 77.2,46 v1(77.2,45.4) ; 77.2,46 77,46.2 77,47.25 ; 76.5,66.5 Q126.8 ; 76.5,66.5 v1(76.7,66.5) ; 76.5,66.5 76.5,66.2 76.3,66 75.25,66 ; Q126.8 76.5,67.2 ; Q78.8 76.11,80.12 Q78.7 ; Q78.8 76.5,79.5 ; Q78.8 76.5,80.2 ; 77.2,85 v1(77.2,84.4) ; 77.2,85 Q80.8 ; 77.2,85 77,85.2 77,86.25 ; v1(76.7,40.5) 76.5,40.5 ; 76.5,40.5 76.5,40.2 76.3,40 75.25,40 ; Q30.8 78.12,98.39 Q30.7 ; Q30.8 77.2,98 ; Q30.8 78.2,98 ; 76.5,79.5 76.5,79.2 76.3,79 75.25,79 ; 76.5,79.5 v1(76.7,79.5) ; 77.2,98 77,98.2 77,99.25 ; 77.2,98 v1(77.2,97.4) ; Q28.8 76.11,93.12 Q28.7 ; Q28.8 76.5,93.2 ; Q28.8 76.5,92.5 ; Q80.8 78.12,85.39 Q80.7 ; Q80.8 78.2,85 ; 76.5,92.5 76.5,92.2 76.3,92 75.25,92 ; 76.5,92.5 v1(76.7,92.5) ; 77.2,33 v1(77.2,32.4)